# Altium PCB Digital_Optical_18Tx_14Tx4Rx.PcbDoc (part 2 of 2)
Units mm, origin at the board's own origin, x right, y up, seen from the top; angles counter-clockwise.
Board outline 155.99 x 100 mm, 2 copper layers (Top Layer, Bottom Layer); 176 components, 117 nets, 628 pads, 349 vias.
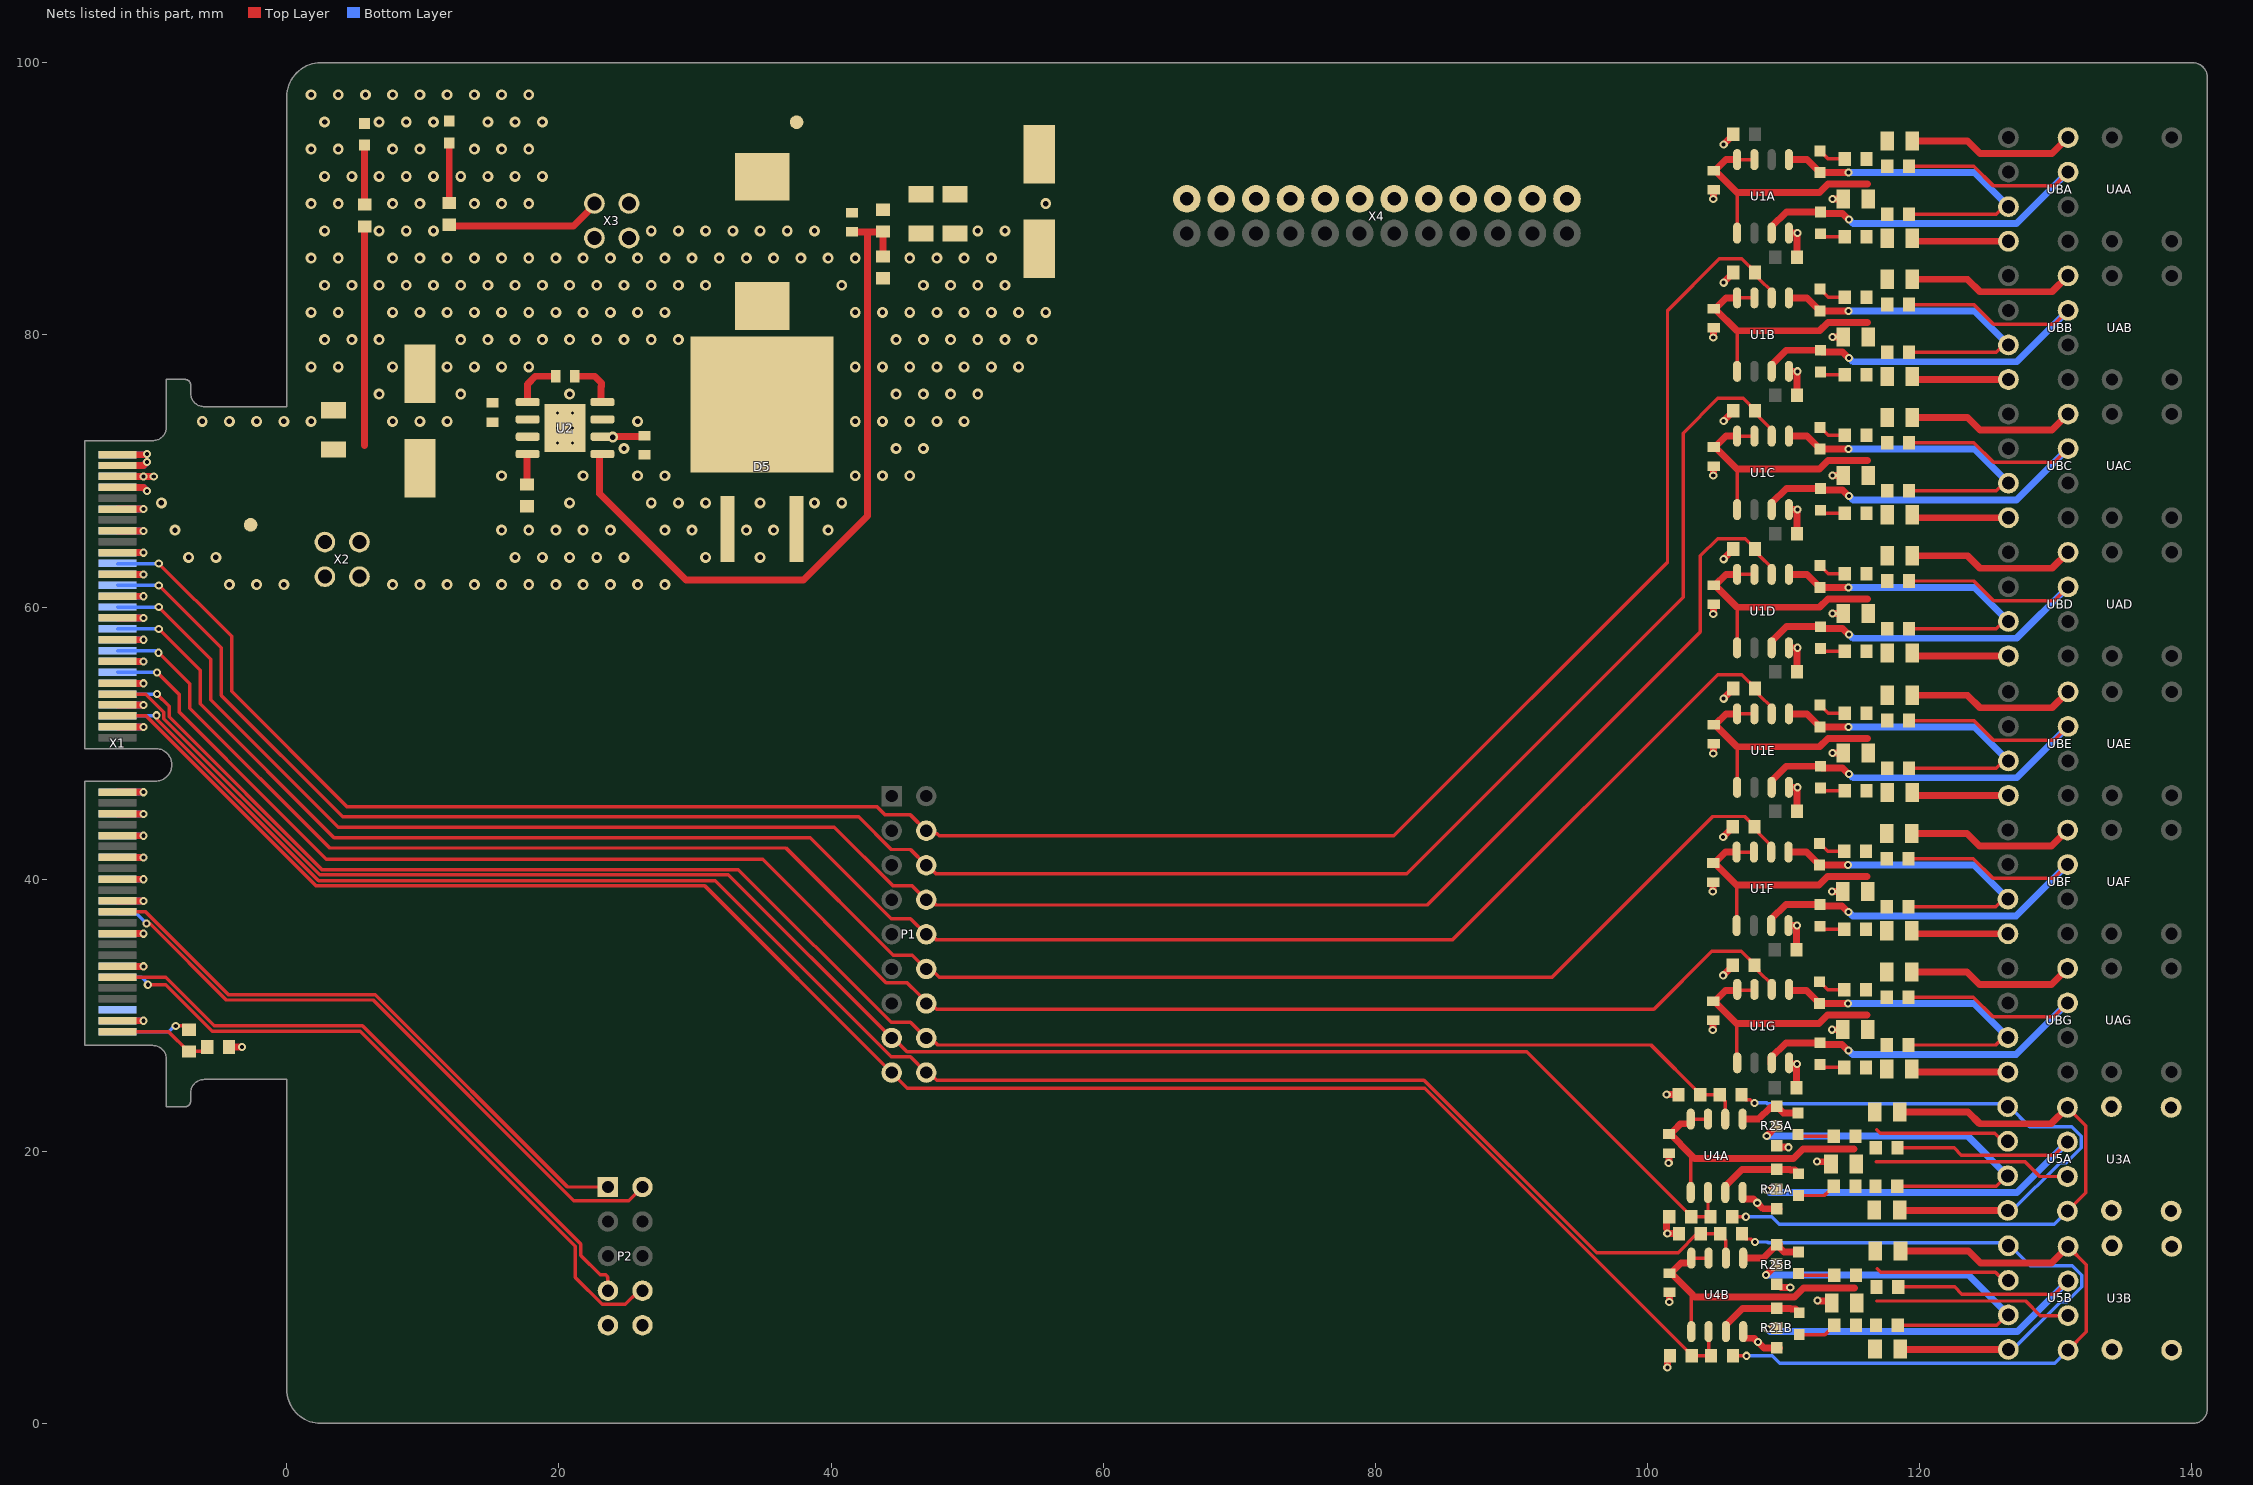
[diagram p2: the nets of this part, all layers, seen from the top]

## Via types
v1: diameter 0.8, hole 0.4, Top Layer to Bottom Layer, 224 vias
v2: diameter 0.6, hole 0.3, Top Layer to Bottom Layer, tented both sides, 119 vias
v3: diameter 0.45, hole 0.2, Top Layer to Bottom Layer, tented bottom, 6 vias

## Nets (pads, with @x,y where several pads share a name; then routed paths per layer and width w, separated by ;. In a path a pad name is that pad's centre, name@x,y a point inside that pad or via, vN(x,y) a via of type N, cw(c..) or ccw(c..) an arc to the next point about the centre after c; other vN are vias at no path point) (continued)
GATE_B2: P1.4 R10B.2 U1B.6 X1.22 | length 162.2
  Top Layer w0.254: v2(-9.414,63.191) -4.064,57.841 -4.064,53.813 4.414,45.335 43.357,45.335 43.976,44.716 45.835,44.716 P1.4@46.99,43.561 47.228,43.323 47.808,43.323 47.95,43.18 81.36,43.18 101.473,63.293 101.473,81.788 105.283,85.598 106.937,85.598 107.9,84.634 R10B.2@107.9,84.584 108.223,84.261 108.223,84.102 109.128,83.198 U1B.6@109.128,82.723
  Bottom Layer w0.254: X1.22@-12.44,63.191 v2(-9.414,63.191)
GATE_B3: P1.6 R10C.2 U1C.6 X1.26 | length 155.5
  Top Layer w0.254: v2(-9.414,61.591) -4.826,57.003 -4.826,53.498 4.099,44.573 42.018,44.573 44.415,42.176 45.835,42.176 P1.6@46.99,41.021 47.073,41.021 47.708,40.386 82.296,40.386 102.616,60.706 102.616,72.771 105.178,75.333 107.042,75.333 107.9,74.474 R10C.2@107.9,74.424 108.223,74.101 108.223,73.942 109.128,73.038 U1C.6@109.128,72.563
  Bottom Layer w0.254: X1.26@-12.44,61.591 v2(-9.414,61.591)
GATE_B4: P1.8 R10D.2 U1D.6 X1.30 | length 148.3
  Top Layer w0.254: v2(-9.414,59.991) -5.588,56.165 -5.588,53.182 3.783,43.811 40.24,43.811 44.554,39.497 45.974,39.497 P1.8@46.99,38.481 47.327,38.481 47.708,38.1 83.82,38.1 103.886,58.166 103.886,63.754 105.156,65.024 107.191,65.024 107.9,64.314 R10D.2@107.9,64.264 108.223,63.941 108.223,63.782 109.128,62.878 U1D.6@109.128,62.403
  Bottom Layer w0.254: X1.30@-12.44,59.991 v2(-9.414,59.991)
GATE_B5: P1.10 R10E.2 U1E.6 X1.34 | length 142.1
  Top Layer w0.254: v2(-9.414,58.391) -6.368,55.344 -6.368,52.884 3.467,43.049 38.462,43.049 44.415,37.096 45.835,37.096 P1.10@46.99,35.941 47.327,35.941 47.708,35.56 85.692,35.56 105.156,55.024 106.937,55.024 107.9,54.06 R10E.2@107.9,54.01 108.223,53.687 108.223,53.528 109.128,52.624 U1E.6@109.128,52.149
  Bottom Layer w0.254: X1.34@-12.44,58.391 v2(-9.414,58.391)
GATE_B6: P1.12 R10F.2 U1F.6 X1.38 | length 138.9
  Top Layer w0.254: v2(-9.422,56.64) -7.13,54.348 -7.13,52.568 3.152,42.287 36.684,42.287 44.554,34.417 45.974,34.417 P1.12@46.99,33.401 47.327,33.401 47.95,32.778 92.986,32.778 104.812,44.604 107.161,44.604 107.865,43.9 R10F.2@107.865,43.85 108.188,43.527 108.188,43.368 109.093,42.464 U1F.6@109.093,41.989
  Bottom Layer w0.254: X1.38@-12.44,56.791 -9.666,56.791 -9.516,56.64 v2(-9.422,56.64)
GATE_B7: P1.14 R10G.2 U1G.6 X1.42 | length 135.1
  Top Layer w0.254: v2(-9.54,55.191) -7.892,53.543 -7.892,52.253 -0.933,45.295 2.898,41.463 34.968,41.463 44.034,32.397 45.581,32.397 46.482,31.496 ; P1.14@46.99,30.861 47.327,30.861 47.749,30.439 100.478,30.439 104.735,34.696 106.902,34.696 107.865,33.732 R10G.2@107.865,33.682 108.188,33.359 108.188,33.2 109.093,32.296 U1G.6@109.093,31.821
  Bottom Layer w0.254: X1.42@-12.44,55.191 v2(-9.54,55.191)
GND: C1A.2 C1B.2 C1C.2 C1D.2 C1E.2 C1F.2 C1G.2 C2A.2 C2B.2 C2C.2 C2D.2 C2E.2 C2F.2 C2G.2 C3.2 C5.2 C6.1 C7.2 C8A.2 C8B.2 C9A.2 C9B.2 C10.1 C12.1 C13.1 D5.1 D5.3 D6.1 D7.1 P2.9 P2.10 R5.1 R8A.1 R8B.1 R8C.1 R8D.1 R8E.1 R8F.1 R8G.1 R10A.1 R10B.1 R10C.1 R10D.1 R10E.1 R10F.1 R10G.1 R12.1 R16.1 R20A.1 R20B.1 R21A.3 R21B.3 R25A.3 R25B.3 R27A.1 R27B.1 U1A.4 U1B.4 U1C.4 U1D.4 U1E.4 U1F.4 U1G.4 U2.7 U2.9 U4A.4 U4B.4 X1.1 X1.2 X1.3 X1.4 X1.7 X1.8 X1.11 X1.12 X1.15 X1.16 X1.19 X1.20 X1.23 X1.24 X1.27 X1.28 X1.31 X1.32 X1.35 X1.36 X1.39 X1.40 X1.43 X1.44 X1.47 X1.48 X1.51 X1.52 X1.55 X1.56 X1.59 X1.60 X1.63 X1.64 X1.67 X1.68 X1.71 X1.72 X1.75 X1.76 X1.81 X1.82 X1.87 X1.88 X1.97 X1.98 X2.1 X2.2 X3.1 X3.2 X4.2 X4.4 X4.6 X4.8 X4.10 X4.12 X4.14 X4.16 X4.18 X4.20 X4.22 X4.24 | length 140.6
  Top Layer w0.508: X1.97@-12.44,29.591 v2(-10.541,29.591) ; X1.87@-12.44,33.591 v2(-10.541,33.591) v2@-10.477,33.591 ; X1.81@-12.44,35.991 v2(-10.541,35.991) ; X1.75@-12.44,38.391 v2(-10.541,38.391) ; X1.71@-12.44,39.991 v2(-10.541,39.991) ; X1.67@-12.44,41.591 v2(-10.541,41.591) ; X1.63@-12.44,43.191 v2(-10.541,43.191) ; X1.59@-12.44,44.791 v2(-10.541,44.791) ; X1.55@-12.44,46.391 v2(-10.541,46.391) ; X1.51@-12.44,51.191 v2(-10.541,51.191) ; X1.47@-12.44,52.791 v2(-10.541,52.791) ; X1.43@-12.44,54.391 v2(-10.541,54.391) ; X1.39@-12.44,55.991 v2(-10.541,55.991) ; X1.35@-12.44,57.591 v2(-10.541,57.591) ; X1.31@-12.44,59.191 v2(-10.541,59.191) ; X1.27@-12.44,60.791 v2(-10.541,60.791) ; X1.23@-12.44,62.391 v2(-10.541,62.391) ; X1.19@-12.44,63.991 v2(-10.541,63.991) ; X1.15@-12.44,65.591 v2(-10.541,65.591) ; X1.11@-12.44,67.191 v2(-10.541,67.191) ; X1.7@-12.44,68.791 -10.541,68.791 v2(-10.266,68.516) ; X1.3@-12.44,70.391 -10.541,70.391 v2(-10.266,70.666) ; X1.1@-12.44,71.191 v2@-10.541,71.191 ; R16.1@-4.251,27.66 R16.1@-4.251,27.66 v2@-3.303,27.659 ; 101.412,14.315 101.412,14.99 R20A.1@101.608,15.186 ; v2(101.412,24.179) 101.43,24.162 102.26,24.162 R27A.1@102.277,24.144 ; v2(101.457,4.095) 101.457,4.769 R20B.1@101.653,4.965 ; v2(101.457,13.959) 101.474,13.941 102.304,13.941 R27B.1@102.321,13.924 ; v2(101.558,19.136) 101.568,19.145 101.568,19.86 C9A.2@101.577,19.869 ; v2(101.603,8.916) 101.612,8.925 101.612,9.639 C9B.2@101.621,9.648 ; v2(104.797,28.916) 104.815,28.933 104.815,29.595 C1G.2@104.836,29.617 ; v2(104.797,39.084) 104.815,39.101 104.815,39.763 C1F.2@104.836,39.785 ; v2(104.832,49.244) 104.85,49.261 104.85,49.923 C1E.2@104.871,49.945 ; v2(104.832,59.498) 104.85,59.515 104.85,60.177 C1D.2@104.871,60.199 ; v2(104.832,69.658) 104.85,69.675 104.85,70.337 C1C.2@104.871,70.359 ; v2(104.832,79.818) 104.85,79.835 104.85,80.497 C1B.2@104.871,80.519 ; v2(104.832,89.978) 104.85,89.995 104.85,90.657 C1A.2@104.871,90.679 ; v2(105.565,32.932) 106.265,33.632 R10G.1@106.265,33.682 ; v2(105.565,43.1) 106.265,43.8 R10F.1@106.265,43.85 ; v2(105.6,53.26) 106.3,53.96 R10E.1@106.3,54.01 ; v2(105.6,63.514) 106.3,64.214 R10D.1@106.3,64.264 ; v2(105.6,73.674) 106.3,74.374 R10C.1@106.3,74.424 ; v2(105.6,83.834) 106.3,84.534 R10B.1@106.3,84.584 ; v2(105.6,93.994) 106.3,94.694 R10A.1@106.3,94.744 ; U4A.4@106.989,16.969 106.989,16.519 107.031,16.476 107.779,16.476 108.044,16.211 v2(108.069,16.211) 108.507,15.773 R21A.3@109.656,15.773 ; U4B.4@107.033,6.748 107.033,6.298 107.076,6.256 107.823,6.256 108.088,5.99 v2(108.113,5.99) 108.551,5.552 R21B.3@109.7,5.552 ; R25A.3@109.485,20.356 109.533,20.308 110.345,20.308 v2(110.363,20.29) ; R25B.3@109.7,10.054 109.771,10.054 109.826,9.999 110.476,9.999 v2(110.494,9.981) ; U1G.4@110.363,26.421 v2(110.995,26.421) 110.995,26.396 110.96,26.361 R8G.1@110.96,24.654 ; U1F.4@110.363,36.589 v2(110.995,36.589) 110.995,36.564 110.96,36.529 R8F.1@110.96,34.822 ; U1E.4@110.398,46.749 v2(111.03,46.749) 111.03,46.724 110.995,46.689 R8E.1@110.995,44.982 ; U1D.4@110.398,57.003 v2(111.03,57.003) 111.03,56.978 110.995,56.943 R8D.1@110.995,55.236 ; U1C.4@110.398,67.163 v2(111.03,67.163) 111.03,67.138 110.995,67.103 R8C.1@110.995,65.396 ; U1B.4@110.398,77.323 v2(111.03,77.323) 111.03,77.298 110.995,77.263 R8B.1@110.995,75.556 ; U1A.4@110.398,87.483 v2(111.03,87.483) 111.03,87.458 110.995,87.423 R8A.1@110.995,85.716 ; v2(112.458,19.243) 112.472,19.229 113.476,19.229 C8A.2@113.49,19.216 ; v2(112.503,9.022) 112.516,9.009 113.521,9.009 C8B.2@113.534,8.996 ; v2(113.567,28.933) C2G.2@114.342,28.933 ; v2(113.567,39.101) C2F.2@114.342,39.101 ; v2(113.602,49.261) C2E.2@114.377,49.261 ; v2(113.602,59.515) C2D.2@114.377,59.515 ; v2(113.602,69.675) C2C.2@114.377,69.675 ; v2(113.602,79.835) C2B.2@114.377,79.835 ; v2(113.602,89.995) C2A.2@114.377,89.995 ; v2@-3.303,27.659 v2(-3.302,27.658)
  Bottom Layer w0.508: X1.98@-12.44,29.591 v2(-10.541,29.591) ; X1.88@-12.44,33.591 v2(-10.541,33.591) ; X1.82@-12.44,35.991 v2(-10.541,35.991) ; X1.76@-12.44,38.391 v2(-10.541,38.391) ; X1.72@-12.44,39.991 v2(-10.541,39.991) ; X1.68@-12.44,41.591 v2(-10.541,41.591) ; X1.64@-12.44,43.191 v2(-10.541,43.191) ; X1.60@-12.44,44.791 v2(-10.541,44.791) ; X1.56@-12.44,46.391 v2(-10.541,46.391) ; X1.52@-12.44,51.191 v2(-10.541,51.191) ; X1.48@-12.44,52.791 v2(-10.541,52.791) ; X1.44@-12.44,54.391 v2(-10.541,54.391) ; X1.40@-12.44,55.991 v2(-10.541,55.991) ; X1.36@-12.44,57.591 v2(-10.541,57.591) ; X1.32@-12.44,59.191 v2(-10.541,59.191) ; X1.28@-12.44,60.791 v2(-10.541,60.791) ; X1.24@-12.44,62.391 v2(-10.541,62.391) ; X1.20@-12.44,63.991 v2(-10.541,63.991) ; X1.16@-12.44,65.591 v2(-10.541,65.591) ; X1.12@-12.44,67.191 v2(-10.541,67.191) ; X1.8@-12.44,68.791 -10.541,68.791 v2(-10.266,68.516) ; X1.4@-12.44,70.391 -10.541,70.391 v2(-10.266,70.666) ; X1.2@-12.44,71.191 -10.343,71.191 v2(-10.287,71.247)
  other v1: -4.221,61.647 -2.221,61.647 -0.221,61.647 7.779,61.647 9.779,61.647 11.779,61.647 13.779,61.647 15.779,61.647 17.779,61.647 19.779,61.647 21.779,61.647 23.779,61.647 25.779,61.647 27.779,61.647 -7.221,63.647 -5.221,63.647 16.779,63.647 18.779,63.647 20.779,63.647 22.779,63.647 24.779,63.647 30.779,63.647 34.779,63.647 -8.221,65.647 15.779,65.647 17.779,65.647 19.779,65.647 21.779,65.647 23.779,65.647 27.779,65.647 29.779,65.647 33.779,65.647 35.779,65.647 39.779,65.647 -9.221,67.647 20.779,67.647 26.779,67.647 28.779,67.647 30.779,67.647 34.779,67.647 38.779,67.647 40.779,67.647 15.779,69.647 21.779,69.647 25.779,69.647 27.779,69.647 41.779,69.647 43.779,69.647 45.779,69.647 24.779,71.647 44.779,71.647 46.779,71.647 -6.221,73.647 -4.221,73.647 -2.221,73.647 -0.221,73.647 1.779,73.647 7.779,73.647 9.779,73.647 11.779,73.647 25.779,73.647 41.779,73.647 43.779,73.647 45.779,73.647 47.779,73.647 49.779,73.647 6.779,75.647 12.779,75.647 20.779,75.647 44.779,75.647 46.779,75.647 48.779,75.647 50.779,75.647 1.779,77.647 3.779,77.647 7.779,77.647 11.779,77.647 13.779,77.647 15.779,77.647 17.779,77.647 41.779,77.647 43.779,77.647 45.779,77.647 47.779,77.647 49.779,77.647 51.779,77.647 53.779,77.647 2.779,79.647 4.779,79.647 6.779,79.647 12.779,79.647 14.779,79.647 16.779,79.647 18.779,79.647 20.779,79.647 22.779,79.647 24.779,79.647 26.779,79.647 28.779,79.647 44.779,79.647 46.779,79.647 48.779,79.647 50.779,79.647 52.779,79.647 54.779,79.647 1.779,81.647 3.779,81.647 7.779,81.647 9.779,81.647 11.779,81.647 13.779,81.647 15.779,81.647 17.779,81.647 19.779,81.647 21.779,81.647 23.779,81.647 25.779,81.647 27.779,81.647 41.779,81.647 43.779,81.647 45.779,81.647 47.779,81.647 49.779,81.647 51.779,81.647 53.779,81.647 55.779,81.647 2.779,83.647 4.779,83.647 6.779,83.647 8.779,83.647 10.779,83.647 12.779,83.647 14.779,83.647 16.779,83.647 18.779,83.647 20.779,83.647 22.779,83.647 24.779,83.647 26.779,83.647 28.779,83.647 30.779,83.647 40.779,83.647 46.779,83.647 48.779,83.647 50.779,83.647 52.779,83.647 1.779,85.647 3.779,85.647 7.779,85.647 9.779,85.647 11.779,85.647 13.779,85.647 15.779,85.647 17.779,85.647 19.779,85.647 21.779,85.647 23.779,85.647 25.779,85.647 27.779,85.647 29.779,85.647 31.779,85.647 33.779,85.647 35.779,85.647 37.779,85.647 39.779,85.647 41.779,85.647 45.779,85.647 47.779,85.647 49.779,85.647 51.779,85.647 2.779,87.647 6.779,87.647 8.779,87.647 10.779,87.647 26.779,87.647 28.779,87.647 30.779,87.647 32.779,87.647 34.779,87.647 36.779,87.647 38.779,87.647 50.779,87.647 52.779,87.647 1.779,89.647 3.779,89.647 7.779,89.647 9.779,89.647 13.779,89.647 15.779,89.647 17.779,89.647 55.779,89.647 2.779,91.647 4.779,91.647 6.779,91.647 8.779,91.647 10.779,91.647 12.779,91.647 14.779,91.647 16.779,91.647 18.779,91.647 1.779,93.647 3.779,93.647 7.779,93.647 9.779,93.647 13.779,93.647 15.779,93.647 17.779,93.647 2.779,95.647 6.779,95.647 8.779,95.647 10.779,95.647 14.779,95.647 16.779,95.647 18.779,95.647 1.779,97.647 3.779,97.647 5.779,97.647 7.779,97.647 9.779,97.647 11.779,97.647 13.779,97.647 15.779,97.647 17.779,97.647
  other v3: 19.897,72.052 20.997,72.052 19.897,73.152 20.997,73.152 19.897,74.252 20.997,74.252
I2C0_SCA: P2.8 X1.90 | length 50.4
  Top Layer w0.254: v2(-10.219,32.237) -8.912,32.237 -7.066,30.391 -7.052,30.391 -5.49,28.829 5.403,28.829 21.209,13.023 21.209,10.721 23.181,8.75 24.879,8.75 25.883,9.754 P2.8@26.137,9.754
  Bottom Layer w0.254: X1.90@-12.44,32.791 -10.659,32.791 -10.285,32.417 -10.285,32.303 v2(-10.219,32.237)
I2C0_SCL: P2.7 X1.89 | length 46.7
  Top Layer w0.254: X1.89@-12.44,32.791 -8.913,32.791 -5.332,29.21 5.561,29.21 21.59,13.181 21.59,12.342 23.023,10.909 23.448,10.909 23.597,10.76 P2.7@23.597,9.754
NetC4_1: C4.1 U2.1 | length 3.7
  Top Layer w0.508: U2.1@17.697,75.057 17.697,76.371 18.288,76.962 C4.1@19.812,76.962
NetC4_2: C4.2 D5.4 L2.1 U2.8 | length 3.5
  Top Layer w0.508: C4.2@21.147,76.962 22.606,76.962 23.114,76.454 23.114,76.2 23.1,76.186 U2.8@23.1,75.1
NetC7_1: C7.1 U2.6 | length 3.1
  Top Layer w0.508: U2.6@23.197,72.517 26.224,72.517 C7.1@26.289,72.582
  other v1: 23.952,72.484
NetC11_2: C11.2 R6.1 R12.2 U2.5 | length 51.9
  Top Layer w0.508: U2.5@22.987,71.247 22.987,68.326 29.337,61.976 37.973,61.976 42.672,66.675 42.672,87.565 ; C11.2@41.529,87.565 42.672,87.565 ; R6.1@43.623,87.565 42.672,87.565 ; R12.2@43.815,85.763 R6.1@43.815,87.503
NetD1A_1: D1A.1 R7A.1 U1A.3 UAA.2 | length 37.3
  Top Layer w0.254: R7A.1@119.215,92.39 123.987,92.39 125.432,90.945 129.899,90.945 UAA.2@130.915,91.961
  Top Layer w0.508: U1A.3@109.128,87.483 109.128,87.958 110.203,89.033 D1A.1@112.717,89.033 112.835,88.914 114.34,88.914 114.783,88.471 v2(114.808,88.471)
  Bottom Layer w0.508: v2(114.808,88.471) 114.833,88.471 115.121,88.183 127.137,88.183 UAA.2@130.915,91.961
NetD1A_2: D1A.2 R1A.1 | length 1.9
  Top Layer w0.254: D1A.2@112.717,87.433 112.93,87.22 R1A.1@114.502,87.22
NetD1B_1: D1B.1 R7B.1 U1B.3 UAB.2 | length 37.3
  Top Layer w0.254: R7B.1@119.215,82.23 123.987,82.23 125.432,80.785 129.899,80.785 UAB.2@130.915,81.801
  Top Layer w0.508: U1B.3@109.128,77.323 109.128,77.798 110.203,78.873 D1B.1@112.717,78.873 112.835,78.754 114.34,78.754 114.783,78.311 v2(114.808,78.311)
  Bottom Layer w0.508: v2(114.808,78.311) 114.833,78.311 115.121,78.023 127.137,78.023 UAB.2@130.915,81.801
NetD1B_2: D1B.2 R1B.1 | length 1.9
  Top Layer w0.254: D1B.2@112.717,77.273 112.93,77.06 R1B.1@114.502,77.06
NetD1C_1: D1C.1 R7C.1 U1C.3 UAC.2 | length 37.3
  Top Layer w0.254: R7C.1@119.215,72.07 123.987,72.07 125.432,70.625 129.899,70.625 UAC.2@130.915,71.641
  Top Layer w0.508: U1C.3@109.128,67.163 109.128,67.638 110.203,68.713 D1C.1@112.717,68.713 112.835,68.594 114.34,68.594 114.783,68.151 v2(114.808,68.151)
  Bottom Layer w0.508: v2(114.808,68.151) 114.833,68.151 115.121,67.863 127.137,67.863 UAC.2@130.915,71.641
NetD1C_2: D1C.2 R1C.1 | length 1.9
  Top Layer w0.254: D1C.2@112.717,67.113 112.93,66.9 R1C.1@114.502,66.9
NetD1D_1: D1D.1 R7D.1 U1D.3 UAD.2 | length 37.3
  Top Layer w0.254: R7D.1@119.215,61.91 123.987,61.91 125.432,60.465 129.899,60.465 UAD.2@130.915,61.481
  Top Layer w0.508: U1D.3@109.128,57.003 109.128,57.478 110.203,58.553 D1D.1@112.717,58.553 112.835,58.434 114.34,58.434 114.783,57.991 v2(114.808,57.991)
  Bottom Layer w0.508: v2(114.808,57.991) 114.833,57.991 115.121,57.703 127.137,57.703 UAD.2@130.915,61.481
NetD1D_2: D1D.2 R1D.1 | length 1.9
  Top Layer w0.254: D1D.2@112.717,56.953 112.93,56.74 R1D.1@114.502,56.74
NetD1E_1: D1E.1 R7E.1 U1E.3 UAE.2 | length 37.3
  Top Layer w0.254: R7E.1@119.215,51.656 123.987,51.656 125.432,50.211 129.899,50.211 UAE.2@130.915,51.227
  Top Layer w0.508: U1E.3@109.128,46.749 109.128,47.224 110.203,48.299 D1E.1@112.717,48.299 112.835,48.18 114.34,48.18 114.783,47.737 v2(114.808,47.737)
  Bottom Layer w0.508: v2(114.808,47.737) 114.833,47.737 115.121,47.449 127.137,47.449 UAE.2@130.915,51.227
NetD1E_2: D1E.2 R1E.1 | length 1.9
  Top Layer w0.254: D1E.2@112.717,46.699 112.93,46.486 R1E.1@114.502,46.486
NetD1F_1: D1F.1 R7F.1 U1F.3 UAF.2 | length 37.3
  Top Layer w0.254: R7F.1@119.18,41.496 123.952,41.496 125.397,40.051 129.864,40.051 UAF.2@130.88,41.067
  Top Layer w0.508: U1F.3@109.093,36.589 109.093,37.064 110.168,38.139 D1F.1@112.682,38.139 112.8,38.02 114.305,38.02 114.748,37.577 v2(114.773,37.577)
  Bottom Layer w0.508: v2(114.773,37.577) 114.798,37.577 115.086,37.289 127.102,37.289 UAF.2@130.88,41.067
NetD1F_2: D1F.2 R1F.1 | length 1.9
  Top Layer w0.254: D1F.2@112.682,36.539 112.895,36.326 R1F.1@114.467,36.326
NetD1G_1: D1G.1 R7G.1 U1G.3 UAG.2 | length 37.3
  Top Layer w0.254: R7G.1@119.18,31.328 123.952,31.328 125.397,29.883 129.864,29.883 UAG.2@130.88,30.899
  Top Layer w0.508: U1G.3@109.093,26.421 109.093,26.896 110.168,27.971 D1G.1@112.682,27.971 112.8,27.852 114.305,27.852 114.748,27.409 v2(114.773,27.409)
  Bottom Layer w0.508: v2(114.773,27.409) 114.798,27.409 115.086,27.121 127.102,27.121 UAG.2@130.88,30.899
NetD1G_2: D1G.2 R1G.1 | length 1.9
  Top Layer w0.254: D1G.2@112.682,26.371 112.895,26.158 R1G.1@114.467,26.158
NetD2A_1: D2A.1 R9A.1 U1A.5 UBA.2 | length 25.1
  Top Layer w0.254: R9A.1@119.215,88.871 125.633,88.871 126.183,89.421 UBA.2@126.527,89.421
  Top Layer w0.508: U1A.5@110.398,92.883 111.724,92.883 D2A.1@112.684,91.923 v2(114.783,91.923)
  Bottom Layer w0.508: v2(114.783,91.923) 124.025,91.923 UBA.2@126.527,89.421
NetD2A_2: D2A.2 R3A.2 | length 2.1
  Top Layer w0.254: D2A.2@112.684,93.523 113.278,92.929 R3A.2@114.502,92.929
NetD2B_1: D2B.1 R9B.1 U1B.5 UBB.2 | length 25.1
  Top Layer w0.254: R9B.1@119.215,78.711 125.633,78.711 126.183,79.261 UBB.2@126.527,79.261
  Top Layer w0.508: U1B.5@110.398,82.723 111.724,82.723 D2B.1@112.684,81.763 v2(114.783,81.763)
  Bottom Layer w0.508: v2(114.783,81.763) 124.025,81.763 UBB.2@126.527,79.261
NetD2B_2: D2B.2 R3B.2 | length 2.1
  Top Layer w0.254: D2B.2@112.684,83.363 113.278,82.769 R3B.2@114.502,82.769
NetD2C_1: D2C.1 R9C.1 U1C.5 UBC.2 | length 25.1
  Top Layer w0.254: R9C.1@119.215,68.551 125.633,68.551 126.183,69.101 UBC.2@126.527,69.101
  Top Layer w0.508: U1C.5@110.398,72.563 111.724,72.563 D2C.1@112.684,71.603 v2(114.783,71.603)
  Bottom Layer w0.508: v2(114.783,71.603) 124.025,71.603 UBC.2@126.527,69.101
NetD2C_2: D2C.2 R3C.2 | length 2.1
  Top Layer w0.254: D2C.2@112.684,73.203 113.278,72.609 R3C.2@114.502,72.609
NetD2D_1: D2D.1 R9D.1 U1D.5 UBD.2 | length 25.1
  Top Layer w0.254: R9D.1@119.215,58.391 125.633,58.391 126.183,58.941 UBD.2@126.527,58.941
  Top Layer w0.508: U1D.5@110.398,62.403 111.724,62.403 D2D.1@112.684,61.443 v2(114.783,61.443)
  Bottom Layer w0.508: v2(114.783,61.443) 124.025,61.443 UBD.2@126.527,58.941
NetD2D_2: D2D.2 R3D.2 | length 2.1
  Top Layer w0.254: D2D.2@112.684,63.043 113.278,62.449 R3D.2@114.502,62.449
NetD2E_1: D2E.1 R9E.1 U1E.5 UBE.2 | length 25.1
  Top Layer w0.254: R9E.1@119.215,48.137 125.633,48.137 126.183,48.687 UBE.2@126.527,48.687
  Top Layer w0.508: U1E.5@110.398,52.149 111.724,52.149 D2E.1@112.684,51.189 v2(114.783,51.189)
  Bottom Layer w0.508: v2(114.783,51.189) 124.025,51.189 UBE.2@126.527,48.687
NetD2E_2: D2E.2 R3E.2 | length 2.1
  Top Layer w0.254: D2E.2@112.684,52.789 113.278,52.195 R3E.2@114.502,52.195
NetD2F_1: D2F.1 R9F.1 U1F.5 UBF.2 | length 25.1
  Top Layer w0.254: R9F.1@119.18,37.977 125.598,37.977 126.148,38.527 UBF.2@126.492,38.527
  Top Layer w0.508: U1F.5@110.363,41.989 111.689,41.989 D2F.1@112.649,41.029 v2(114.748,41.029)
  Bottom Layer w0.508: v2(114.748,41.029) 123.99,41.029 UBF.2@126.492,38.527
NetD2F_2: D2F.2 R3F.2 | length 2.1
  Top Layer w0.254: D2F.2@112.649,42.629 113.243,42.035 R3F.2@114.467,42.035
NetD2G_1: D2G.1 R9G.1 U1G.5 UBG.2 | length 25.1
  Top Layer w0.254: R9G.1@119.18,27.809 125.598,27.809 126.148,28.359 UBG.2@126.492,28.359
  Top Layer w0.508: U1G.5@110.363,31.821 111.689,31.821 D2G.1@112.649,30.861 v2(114.748,30.861)
  Bottom Layer w0.508: v2(114.748,30.861) 123.99,30.861 UBG.2@126.492,28.359
NetD2G_2: D2G.2 R3G.2 | length 2.1
  Top Layer w0.254: D2G.2@112.649,32.461 113.243,31.867 R3G.2@114.467,31.867
NetD3A_1: D3A.1 R21A.1 U4A.3 | length 6.5
  Top Layer w0.508: U4A.3@105.719,16.969 105.719,17.444 106.948,18.673 110.462,18.673 110.513,18.621 110.84,18.621 D3A.1@111.113,18.348
NetD3A_2: D3A.2 R11A.2 | length 2.9
  Top Layer w0.254: D3A.2@111.113,16.748 113.004,16.748 113.317,17.06 113.367,17.06 113.69,17.383 R11A.2@113.69,17.433
NetD3B_1: D3B.1 R21B.1 U4B.3 | length 6.5
  Top Layer w0.508: U4B.3@105.763,6.748 105.763,7.223 106.992,8.452 110.506,8.452 110.558,8.401 110.885,8.401 D3B.1@111.158,8.128
NetD3B_2: D3B.2 R11B.2 | length 2.9
  Top Layer w0.254: D3B.2@111.158,6.528 113.049,6.528 113.361,6.84 113.411,6.84 113.734,7.163 R11B.2@113.734,7.213
NetD4A_1: D4A.1 R25A.1 U4A.5 | length 4.6
  Top Layer w0.508: U4A.5@106.989,22.369 108.177,22.369 109.039,23.23 109.485,23.23 R25A.1@109.656,23.401 ; R25A.1@109.656,23.147 109.98,22.823 D4A.1@111.059,22.823
NetD4A_2: D4A.2 R22A.2 | length 2.7
  Top Layer w0.254: D4A.2@111.059,21.223 111.167,21.115 R22A.2@113.69,21.115
NetD4B_1: D4B.1 R25B.1 U4B.5 | length 4.6
  Top Layer w0.508: U4B.5@107.033,12.148 108.522,12.148 109.383,13.01 109.529,13.01 R25B.1@109.7,13.181 ; R25B.1@109.7,12.927 110.025,12.602 D4B.1@111.103,12.602
NetD4B_2: D4B.2 R22B.2 | length 2.7
  Top Layer w0.254: D4B.2@111.103,11.002 111.211,10.895 R22B.2@113.734,10.895
NetD6_2: D6.2 R17.1 | length 4.5
  Top Layer w0.127: D6.2@5.588,93.98 5.715,93.853 D6.2@5.715,93.942
  Top Layer w0.508: R17.1@5.715,89.662 D6.2@5.715,93.853
NetD7_2: D7.2 R18.1 | length 4.4
  Top Layer w0.127: D7.2@11.684,93.98 11.728,93.98 D7.2@11.938,93.77
  Top Layer w0.508: R18.1@11.938,89.7 D7.2@11.938,93.77
NetR2A_2: R2A.2 UAA.1 | length 12.3
  Top Layer w0.508: R2A.2@119.467,94.247 123.521,94.247 124.439,93.329 129.743,93.329 UAA.1@130.915,94.501
NetR2B_2: R2B.2 UAB.1 | length 12.3
  Top Layer w0.508: R2B.2@119.467,84.087 123.521,84.087 124.439,83.169 129.743,83.169 UAB.1@130.915,84.341
NetR2C_2: R2C.2 UAC.1 | length 12.3
  Top Layer w0.508: R2C.2@119.467,73.927 123.521,73.927 124.439,73.009 129.743,73.009 UAC.1@130.915,74.181
NetR2D_2: R2D.2 UAD.1 | length 12.3
  Top Layer w0.508: R2D.2@119.467,63.767 123.521,63.767 124.439,62.849 129.743,62.849 UAD.1@130.915,64.021
NetR2E_2: R2E.2 UAE.1 | length 12.3
  Top Layer w0.508: R2E.2@119.467,53.513 123.521,53.513 124.439,52.595 129.743,52.595 UAE.1@130.915,53.767
NetR2F_2: R2F.2 UAF.1 | length 12.3
  Top Layer w0.508: R2F.2@119.432,43.353 123.486,43.353 124.404,42.435 129.708,42.435 UAF.1@130.88,43.607
NetR2G_2: R2G.2 UAG.1 | length 12.3
  Top Layer w0.508: R2G.2@119.432,33.185 123.486,33.185 124.404,32.267 129.708,32.267 UAG.1@130.88,33.439
NetR4A_2: R4A.2 UBA.1 | length 7
  Top Layer w0.508: R4A.2@119.467,87.102 119.688,86.881 UBA.1@126.334,86.881
NetR4B_2: R4B.2 UBB.1 | length 7
  Top Layer w0.508: R4B.2@119.467,76.942 119.688,76.721 UBB.1@126.334,76.721
NetR4C_2: R4C.2 UBC.1 | length 7
  Top Layer w0.508: R4C.2@119.467,66.782 119.688,66.561 UBC.1@126.334,66.561
NetR4D_2: R4D.2 UBD.1 | length 7
  Top Layer w0.508: R4D.2@119.467,56.622 119.688,56.401 UBD.1@126.334,56.401
NetR4E_2: R4E.2 UBE.1 | length 7
  Top Layer w0.508: R4E.2@119.467,46.368 119.688,46.147 UBE.1@126.334,46.147
NetR4F_2: R4F.2 UBF.1 | length 7
  Top Layer w0.508: R4F.2@119.432,36.208 119.653,35.987 UBF.1@126.299,35.987
NetR4G_2: R4G.2 UBG.1 | length 7
  Top Layer w0.508: R4G.2@119.432,26.04 119.653,25.819 UBG.1@126.299,25.819
NetR5_2: R5.2 U2.4 | length 2.2
  Top Layer w0.508: R5.2@17.653,68.999 U2.4@17.653,71.247
NetR13A_2: R13A.2 R14A.1 U3A.1 U3A.4 | length 47.2
  Top Layer w0.254: R14A.1@106.232,15.186 v2(107.228,15.186) ; U3A.4@130.865,15.603 132.207,16.946 132.207,21.881 U3A.1@130.865,23.223
  Top Layer w0.508: R13A.2@118.553,22.893 123.547,22.893 124.42,22.021 129.662,22.021 U3A.1@130.865,23.223
  Bottom Layer w0.254: v2(107.228,15.186) 109.133,15.186 109.681,14.638 129.9,14.638 U3A.4@130.865,15.603
NetR13B_2: R13B.2 R14B.1 U3B.1 U3B.4 | length 47.2
  Top Layer w0.254: R14B.1@106.277,4.965 v2(107.273,4.965) ; U3B.4@130.909,5.383 132.251,6.725 132.251,11.661 U3B.1@130.909,13.003
  Top Layer w0.508: R13B.2@118.598,12.673 123.591,12.673 124.464,11.8 129.706,11.8 U3B.1@130.909,13.003
  Bottom Layer w0.254: v2(107.273,4.965) 109.178,4.965 109.725,4.418 129.944,4.418 U3B.4@130.909,5.383
NetR15_1: R15.1 R16.2 X1.99 | length 7.3
  Top Layer w0.254: X1.99@-12.44,28.791 -8.696,28.791 -7.24,27.335 -6.174,27.335 -5.851,27.658 R16.2@-5.851,27.66
NetR19A_1: R19A.1 R21A.2 U3A.2 | length 37.7
  Top Layer w0.254: R21A.2@109.581,17.148 R21A.2@109.656,17.223 ; R19A.1@118.38,20.247 122.536,20.247 123.065,19.718 129.9,19.718 U3A.2@130.865,20.683
  Top Layer w0.508: v2(108.767,17.148) R21A.2@109.581,17.148
  Bottom Layer w0.508: v2(108.767,17.148) 108.792,17.148 108.958,16.981 127.162,16.981 U3A.2@130.865,20.683
NetR19B_1: R19B.1 R21B.2 U3B.2 | length 37.7
  Top Layer w0.254: R21B.2@109.625,6.927 R21B.2@109.7,7.002 ; R19B.1@118.424,10.027 122.58,10.027 123.109,9.498 129.944,9.498 U3B.2@130.909,10.463
  Top Layer w0.508: v2(108.811,6.927) R21B.2@109.625,6.927
  Bottom Layer w0.508: v2(108.811,6.927) 108.836,6.927 109.003,6.761 127.207,6.761 U3B.2@130.909,10.463
NetR23A_2: R23A.2 R26A.1 U5A.1 U5A.4 | length 42.4
  Top Layer w0.254: R26A.1@106.905,24.144 106.905,24.094 107.228,23.771 107.548,23.771 107.768,23.551 v2(107.862,23.551) ; R23A.2@118.528,15.694 R23A.2@118.568,15.654
  Top Layer w0.508: R23A.2@118.568,15.654 U5A.1@126.477,15.654
  Bottom Layer w0.254: v2(107.862,23.551) 108.751,23.551 108.817,23.485 126.266,23.485 U5A.4@126.477,23.274 126.617,23.274 128.08,21.811 131.174,21.811 131.881,21.104 131.881,20.263 130.778,19.159 130.322,19.159 126.817,15.654 U5A.1@126.477,15.654
NetR23B_2: R23B.2 R26B.1 U5B.1 U5B.4 | length 42.4
  Top Layer w0.254: R26B.1@106.95,13.924 106.95,13.874 107.273,13.551 107.593,13.551 107.812,13.331 v2(107.906,13.331) ; R23B.2@118.573,5.473 R23B.2@118.612,5.434
  Top Layer w0.508: R23B.2@118.612,5.434 U5B.1@126.521,5.434
  Bottom Layer w0.254: v2(107.906,13.331) 108.795,13.331 108.861,13.265 126.31,13.265 U5B.4@126.521,13.054 126.661,13.054 128.124,11.591 131.218,11.591 131.925,10.884 131.925,10.042 130.822,8.939 130.366,8.939 126.861,5.434 U5B.1@126.521,5.434
NetR24A_1: R24A.1 R25A.2 U5A.2 | length 28.6
  Top Layer w0.254: R24A.1@118.353,17.433 125.621,17.433 126.382,18.194 U5A.2@126.477,18.194
  Top Layer w0.508: v2(108.767,21.132) 109.415,21.78 109.485,21.78 R25A.2@109.656,21.951
  Bottom Layer w0.508: v2(108.767,21.132) 123.539,21.132 U5A.2@126.477,18.194
NetR24B_1: R24B.1 R25B.2 U5B.2 | length 28.8
  Top Layer w0.254: R24B.1@118.398,7.213 125.666,7.213 126.426,7.974 U5B.2@126.521,7.974
  Top Layer w0.508: v2(108.7,10.9) 109.36,11.56 109.529,11.56 R25B.2@109.7,11.731
  Bottom Layer w0.508: v2(108.7,10.9) 123.571,10.9 123.583,10.912 U5B.2@126.521,7.974
NetU3A_5: U3A.5
NetU3A_8: U3A.8
NetU3B_5: U3B.5
NetU3B_8: U3B.8
NetU5A_5: U5A.5
NetU5A_8: U5A.8
NetU5B_5: U5B.5
NetU5B_8: U5B.8
NetX1_96: X1.96
PILOT_IN: R15.2 X1.100 | length 5.5
  Top Layer w0.254: v2(-8.163,29.21) -7.465,29.21 R15.2@-7.19,28.935
  Bottom Layer w0.254: X1.100@-12.44,28.791 -8.676,28.791 -8.257,29.21 v2(-8.163,29.21)
PS_DIG_GPIO_01: P2.1 X1.77 | length 44.4
  Top Layer w0.254: X1.77@-12.44,37.591 -10.386,37.591 -4.291,31.496 6.508,31.496 20.63,17.374 P2.1@23.597,17.374
PS_DIG_GPIO_02: P2.2 X1.78 | length 47.8
  Top Layer w0.254: v2(-10.325,36.747) -10.259,36.681 -10.014,36.681 -4.449,31.115 6.35,31.115 21.095,16.37 25.133,16.37 P2.2@26.137,17.374
  Bottom Layer w0.254: X1.78@-12.44,37.591 -12.301,37.452 -11.03,37.452 v2(-10.325,36.747)
Signal_A1: P1.15 R14A.2 R20A.2 U4A.2 X1.45 | length 135
  Top Layer w0.254: X1.45@-12.44,53.591 -10.357,53.591 -9.035,52.269 -9.035,51.779 2.424,40.32 32.451,40.32 P1.15@44.45,28.321 ; P1.15@44.577,28.321 45.581,27.317 91.127,27.317 103.208,15.236 R20A.2@103.208,15.186 R14A.2@104.632,15.186 104.449,15.369 U4A.2@104.449,16.969
Signal_A2: P1.17 R14B.2 R20B.2 U4B.2 X1.49 | length 138.5
  Top Layer w0.254: X1.49@-12.44,51.991 -10.324,51.991 2.17,39.497 30.734,39.497 P1.17@44.45,25.781 45.593,24.638 83.63,24.638 103.253,5.015 R20B.2@103.253,4.965 R14B.2@104.677,4.965 104.493,5.149 U4B.2@104.493,6.748
Signal_B1: P1.16 R26A.2 R27A.2 U4A.6 X1.46 | length 132.4
  Top Layer w0.254: v2(-9.54,53.594) -8.654,52.708 -8.654,51.937 2.582,40.701 33.19,40.701 44.415,29.476 45.835,29.476 P1.16@46.99,28.321 47.327,28.321 47.839,27.809 100.262,27.809 103.877,24.194 R27A.2@103.877,24.144 R26A.2@105.305,24.144 105.305,24.094 105.719,23.681 U4A.6@105.719,22.369
  Bottom Layer w0.254: X1.46@-12.44,53.591 -9.543,53.591 v2(-9.54,53.594)
Signal_B2: P1.18 R26B.2 R27B.2 U4B.6 X1.50 | length 136.8
  Top Layer w0.254: v2(-9.589,52.039) -9.523,51.973 -9.523,51.728 2.328,39.878 31.473,39.878 44.415,26.936 45.835,26.936 P1.18@46.99,25.781 47.211,25.781 47.762,25.23 83.577,25.23 96.267,12.54 102.247,12.54 103.631,13.924 R27B.2@103.921,13.924 R26B.2@105.35,13.924 105.35,13.874 105.763,13.46 U4B.6@105.763,12.148
  Bottom Layer w0.254: X1.50@-12.44,51.991 -12.416,52.015 -9.613,52.015 v2(-9.589,52.039)
VCC: C1A.1 C1B.1 C1C.1 C1D.1 C1E.1 C1F.1 C1G.1 C2A.1 C2B.1 C2C.1 C2D.1 C2E.1 C2F.1 C2G.1 C3.1 C6.2 C8A.1 C8B.1 C9A.1 C9B.1 C10.2 C11.1 L2.2 R1A.2 R1B.2 R1C.2 R1D.2 R1E.2 R1F.2 R1G.2 R2A.1 R2B.1 R2C.1 R2D.1 R2E.1 R2F.1 R2G.1 R3A.1 R3B.1 R3C.1 R3D.1 R3E.1 R3F.1 R3G.1 R4A.1 R4B.1 R4C.1 R4D.1 R4E.1 R4F.1 R4G.1 R6.2 R7A.2 R7B.2 R7C.2 R7D.2 R7E.2 R7F.2 R7G.2 R9A.2 R9B.2 R9C.2 R9D.2 R9E.2 R9F.2 R9G.2 R11A.1 R11B.1 R13A.1 R13B.1 R18.2 R19A.2 R19B.2 R22A.1 R22B.1 R23A.1 R23B.1 R24A.2 R24B.2 U1A.1 U1A.7 U1A.8 U1B.1 U1B.7 U1B.8 U1C.1 U1C.7 U1C.8 U1D.1 U1D.7 U1D.8 U1E.1 U1E.7 U1E.8 U1F.1 U1F.7 U1F.8 U1G.1 U1G.7 U1G.8 U3A.3 U3B.3 U4A.1 U4A.7 U4A.8 U4B.1 U4B.7 U4B.8 U5A.3 U5B.3 VCC.1 X3.3 X3.4 | length 230.7
  Top Layer w0.254: U4A.8@103.019,22.021 103.179,22.18 U4A.8@103.179,22.369 U4A.7@104.449,22.369 ; U4B.8@103.063,11.8 103.223,11.96 U4B.8@103.223,12.148 U4B.7@104.493,12.148 ; U4A.1@103.179,16.969 103.179,19.767 ; U4B.1@103.223,6.748 103.223,9.3 103.223,9.547 ; C1G.1@104.836,31.017 C1G.1@104.936,31.017 ; C1F.1@104.836,41.185 C1F.1@104.936,41.185 ; C1E.1@104.871,51.345 C1E.1@104.971,51.345 ; C1D.1@104.871,61.599 C1D.1@104.971,61.599 ; C1C.1@104.871,71.759 C1C.1@104.971,71.759 ; C1B.1@104.871,81.919 C1B.1@104.971,81.919 ; C1A.1@104.871,92.079 C1A.1@104.971,92.079 ; U1G.1@106.553,26.421 106.553,29.4 ; U1G.8@106.553,31.821 U1G.7@107.823,31.821 ; U1F.1@106.553,36.589 106.553,39.568 ; U1F.8@106.553,41.989 U1F.7@107.823,41.989 ; U1E.1@106.588,46.749 106.588,49.728 ; U1E.8@106.588,52.149 U1E.7@107.858,52.149 ; U1D.1@106.588,57.003 106.588,59.982 ; U1D.8@106.588,62.403 U1D.7@107.858,62.403 ; U1C.1@106.588,67.163 106.588,70.142 ; U1C.8@106.588,72.563 U1C.7@107.858,72.563 ; U1B.1@106.588,77.323 106.588,80.302 ; U1B.8@106.588,82.723 U1B.7@107.858,82.723 ; U1A.1@106.588,87.483 106.588,90.462 ; U1A.8@106.588,92.883 U1A.7@107.858,92.883 ; 115.174,20.17 115.178,20.166 ; 115.218,9.95 115.222,9.946 ; 116.821,19.216 127.749,19.216 128.822,18.143 U3A.3@130.865,18.143 ; 116.84,21.59 117.094,21.336 125.531,21.336 126.133,20.734 U5A.3@126.477,20.734 ; 116.865,8.996 127.794,8.996 128.866,7.923 U3B.3@130.909,7.923 ; 116.884,11.37 117.138,11.116 125.575,11.116 126.178,10.514 U5B.3@126.521,10.514
  Top Layer w0.508: R18.2@11.811,88.011 21.082,88.011 X3.4@22.606,89.535 ; U4A.8@103.019,22.021 102.429,22.021 101.987,21.579 101.677,21.269 103.179,19.767 103.467,19.479 110.165,19.479 110.167,19.476 110.732,19.476 111.425,20.17 115.174,20.17 ; U4B.8@103.063,11.8 102.473,11.8 101.721,11.048 103.223,9.547 103.47,9.3 110.82,9.3 111.47,9.95 115.218,9.95 ; U1G.8@106.553,31.821 105.74,31.821 104.936,31.017 106.553,29.4 112.609,29.4 113.223,30.014 116.141,30.014 ; U1F.8@106.553,41.989 105.74,41.989 104.936,41.185 106.553,39.568 112.609,39.568 113.223,40.182 116.141,40.182 ; U1E.8@106.588,52.149 105.775,52.149 104.971,51.345 106.588,49.728 112.644,49.728 113.258,50.342 116.176,50.342 ; U1D.8@106.588,62.403 105.775,62.403 104.971,61.599 106.588,59.982 112.644,59.982 113.258,60.596 116.176,60.596 ; U1C.8@106.588,72.563 105.775,72.563 104.971,71.759 106.588,70.142 112.644,70.142 113.258,70.756 116.176,70.756 ; U1B.8@106.588,82.723 105.775,82.723 104.971,81.919 106.588,80.302 112.644,80.302 113.258,80.916 116.176,80.916 ; U1A.8@106.588,92.883 105.775,92.883 104.971,92.079 106.588,90.462 112.644,90.462 113.258,91.076 116.176,91.076
VIN: C5.1 C12.2 C13.2 R17.2 U2.2 U2.3 VIN.1 X1.5 X1.6 X2.3 X2.4 | length 20.7
  Top Layer w0.508: X1.5@-12.44,69.591 X1.5@-12.438,69.593 ; X1.5@-12.44,69.6 -12.436,69.596 v2(-9.779,69.596) ; 5.715,71.882 R17.2@5.715,87.973
  Bottom Layer w0.508: X1.6@-12.44,69.591 -10.546,69.591 v2(-10.541,69.596)
pads on no net: UAA.3 UAA.4 UAA.5 UAA.8 UAB.3 UAB.4 UAB.5 UAB.8 UAC.3 UAC.4 UAC.5 UAC.8 UAD.3 UAD.4 UAD.5 UAD.8 UAE.3 UAE.4 UAE.5 UAE.8 UAF.3 UAF.4 UAF.5 UAF.8 UAG.3 UAG.4 UAG.5 UAG.8 UBA.3 UBA.4 UBA.5 UBA.8 UBB.3 UBB.4 UBB.5 UBB.8 UBC.3 UBC.4 UBC.5 UBC.8 UBD.3 UBD.4 UBD.5 UBD.8 UBE.3 UBE.4 UBE.5 UBE.8 UBF.3 UBF.4 UBF.5 UBF.8 UBG.3 UBG.4 UBG.5 UBG.8 X1.9 X1.10 X1.13 X1.14 X1.79 X1.80 X1.91 X1.92 X1.93 X1.94 X1.95

## Polygon pours and split planes (outlines as drawn)
GND on Top Layer "GND_L01_P033" (solid, pour order 33): -10.795,65.151 -10.795,76.708 -10.414,77.089 0.5,77.089 0.5,98.798 1.206,99.504 58.166,99.504 58.166,80.899 36.576,59.309 -4.542,59.309
VIN on Top Layer "VIN_L01_P028" (solid, pour order 28): -10.795,69.215 -10.795,70.104 -9.853,70.104 -9.853,72.39 11.835,72.493 12.192,72.495 12.573,72.771 12.573,74.041 16.637,74.041 16.891,74.295 18.415,74.295 18.415,72.263 18.288,72.136 18.034,72.39 16.51,72.39 16.51,72.263 14.859,70.612 14.859,64.135 14.351,63.627 -3.683,63.627 -9.271,69.215
no net on Top Layer "NONET_L01_P031" (solid, pour order 31): -12.446,79.756
VCC on Top Layer "TOP_VCC" (solid, pour order 16): 51.958,88.519 65.554,95.494 91.05,95.494 97.625,95.494 113.802,95.494 115.302,93.994 115.302,25.437 114.502,24.772 114.494,4.445 115.302,4.445 117.348,4.445 117.348,24.328 118.365,25.345 118.365,96.847 115.707,99.504 19.939,99.504 19.939,88.519
NetC4_2 on Top Layer "NETC4_2_L01_P029" (solid, pour order 29): 21.971,75.565 21.971,75.184 22.733,74.422 26.866,74.422 26.866,73.718 30.734,69.85 40.513,69.85 40.513,81.174 37.232,84.455 32.746,84.455 29.528,81.237 29.528,77.237 21.971,77.237
GND on Bottom Layer "GND_L02_P018" (solid, pour order 18): 0.265,25.074 0.278,25.061 0.278,-0.201 3.991,-0.201 118.11,-0.201 118.11,99.799 3.992,99.799 0.309,99.799 0.265,74.524 -5.795,74.524 cw(c-5.795,75.524) -6.795,75.524 -6.795,76.124 ccw(c-7.195,76.124) -7.195,76.524 -8.575,76.524 -8.575,73.024 cw(c-9.575,73.024) -9.575,72.024 -13.589,72.024 -13.589,49.399 -9.375,49.399 cw(c-9.375,48.199) -9.375,46.999 -13.589,46.999 -13.589,27.574 -9.575,27.574 cw(c-9.575,26.574) -8.575,26.574 -8.575,23.074 -7.195,23.074 ccw(c-7.195,23.474) -6.795,23.474 -6.795,24.074 cw(c-5.795,24.074) -5.795,25.074

## Silkscreen, mask and mechanical layers (free items; w line width, h text height)
Top Overlay:
  text "DIG 01" at 125.227,87.544 h2.54 r90
  text "DIG 03" at 125.227,77.353 h2.54 r90
  text "DIG_19" at 67.071,75.017 h1.27 r90
  text "DIG_20" at 69.654,75.017 h1.27 r90
  text "DIG_21" at 72.194,75.017 h1.27 r90
  text "DIG_22" at 74.734,75.017 h1.27 r90
  text "DIG_23" at 77.274,75.017 h1.27 r90
  text "DIG_24" at 79.814,75.017 h1.27 r90
  text "DIG_25" at 82.354,75.017 h1.27 r90
  text "DIG_26" at 84.894,75.017 h1.27 r90
  text "DIG_27" at 87.434,75.017 h1.27 r90
  text "DIG_28" at 89.974,75.017 h1.27 r90
  text "DIG_29" at 92.514,75.017 h1.27 r90
  text "DIG_30" at 95.054,75.017 h1.27 r90
  text "DIG 05" at 125.227,67.161 h2.54 r90
  text "DIG 07" at 125.227,56.97 h2.54 r90
  text "DIG 09" at 125.227,46.778 h2.54 r90
  text "DIG_01" at 33.509,45.157 h1.27
  text "DIG_02" at 47.03,45.157 h1.27
  text "DIG_03" at 33.509,42.618 h1.27
  text "DIG_04" at 47.03,42.617 h1.27
  text "DIG_05" at 33.509,40.078 h1.27
  text "DIG_06" at 47.03,40.077 h1.27
  text "DIG_07" at 33.509,37.538 h1.27
  text "DIG_08" at 47.03,37.537 h1.27
  text "DIG 11" at 125.227,36.587 h2.54 r90
  text "DIG_09" at 33.509,34.999 h1.27
  text "DIG_10" at 46.818,34.997 h1.27
  text "DIG_11" at 33.509,32.459 h1.27
  text "DIG_12" at 46.818,32.457 h1.27
  text "DIG_13" at 33.509,29.919 h1.27
  text "DIG_14" at 46.818,29.917 h1.27
  text "DIG_15" at 33.509,27.38 h1.27
  text "DIG_16" at 46.818,27.377 h1.27
  text "DIG 13" at 125.227,26.396 h2.54 r90
  text "DIG_17" at 33.509,24.84 h1.27
  text "DIG_18" at 46.818,24.84 h1.27
  text "PS_DIG_GPIO_01" at 4.73,16.461 h1.27
  text "PS_DIG_GPIO_02" at 29.038,16.254 h1.27
  text "DIG 15" at 125.227,16.204 h2.54 r90
  text "CPLD_DigIn_01" at 4.73,13.949 h1.27
  text "CPLD_DigOut_01" at 29.038,13.765 h1.27
  text "CPLD_DigIn_02" at 4.73,11.437 h1.27
  text "CPLD_DigOut_02" at 29.038,11.277 h1.27
  text "I2C0_SCL" at 4.73,8.925 h1.27
  text "I2C0_SCA" at 29.038,8.789 h1.27
  text "GND" at 4.73,6.414 h1.27
  text "GND" at 29.038,6.3 h1.27
  text "DIG 17" at 125.227,6.013 h2.54 r90
Bottom Overlay:
  text "DIG 02" at 122.397,93.993 h2.54 r90
  text "DIG 04" at 122.397,83.833 h2.54 r90
  text "DIG 06" at 122.397,73.673 h2.54 r90
  text "DIG 08" at 122.397,63.513 h2.54 r90
  text "DIG 10" at 122.397,53.259 h2.54 r90
  text "DIG 12" at 122.397,43.099 h2.54 r90
  text "DIG 14" at 122.397,32.931 h2.54 r90
  text "DIG 16" at 122.397,22.766 h2.54 r90
  text "DIG 18" at 122.397,12.546 h2.54 r90
Mechanical 1:
  lines w0.254: 0,25.2 0,2.5 ccw(c2.5,2.5) 2.5,0 3.7,0 ; 0,25.275 -0.013,25.275 -6.073,25.275 ccw(c-6.073,24.275) -7.073,24.275 -7.073,23.675 cw(c-7.473,23.675) -7.473,23.275 -8.853,23.275 -8.853,26.775 ccw(c-9.853,26.775) -9.853,27.775 -14.074,27.775 -14.853,27.775 -14.853,47.2 -14.074,47.2 -9.653,47.2 ccw(c-9.653,48.4) -9.653,49.6 -14.074,49.6 -14.853,49.6 -14.853,72.225 -14.074,72.225 -9.853,72.225 ccw(c-9.853,73.225) -8.853,73.225 -8.853,76.725 -7.473,76.725 cw(c-7.473,76.325) -7.073,76.325 -7.073,75.725 ccw(c-6.073,75.725) -6.073,74.725 0,74.725 0,97.5 cw(c2.5,97.5) 2.5,100 140,100 ; 3.713,0 140,0 ccw(c140.07,1.07) 141.141,1 141.141,99 ccw(c140.07,98.93) 140,100 ; 3.713,0 3.713,0 ; 140,100 140,100

## Dimensions
141.141,0 to 141.141,100 on Mechanical 2
141.141,100 to 0.031,100 on Mechanical 2
141.199,102.286 to -14.795,74.511 on Mechanical 2
146.143,97.802 to -14.84,72.225 on Mechanical 2
141.075,95.796 to 141.141,100 on Mechanical 2
141.141,0 to 141.069,4.113 on Mechanical 2
141.141,100 to 66.143,90 on Mechanical 2
141.091,99.6 to 23.876,92.583 on Mechanical 2

## Text inside footprints (layer, text, board x,y; h text height)
P1: Top Overlay "2" at 46.482,49.149 h1.27 r270; Top Overlay "1" at 43.942,48.641 h1.27 r270; Top Overlay "17" at 43.942,23.749 h1.27 r270; Top Overlay "18" at 46.482,23.749 h1.27 r270
P2: Top Overlay "2" at 25.629,19.914 h1.27 r270; Top Overlay "1" at 23.089,19.406 h1.27 r270; Top Overlay "9" at 23.089,5.69 h1.27 r270; Top Overlay "10" at 25.629,5.69 h1.27 r270
Serial1: Mechanical 5 "SerialNr" at 48.681,19.171 h0.7